# Altium PCB DB46.PcbDoc (part 5 of 6)
Units mm, origin at the board's own origin, x right, y up, seen from the top; angles counter-clockwise.
Board outline 82.2 x 113.2 mm, 8 copper layers (Top Layer, MidLayer1, MidLayer2, GND, MidLayer3, VCC, MidLayer4, Bottom Layer), stack 1.576 mm thick; 186 components, 477 nets, 1727 pads, 1538 vias.
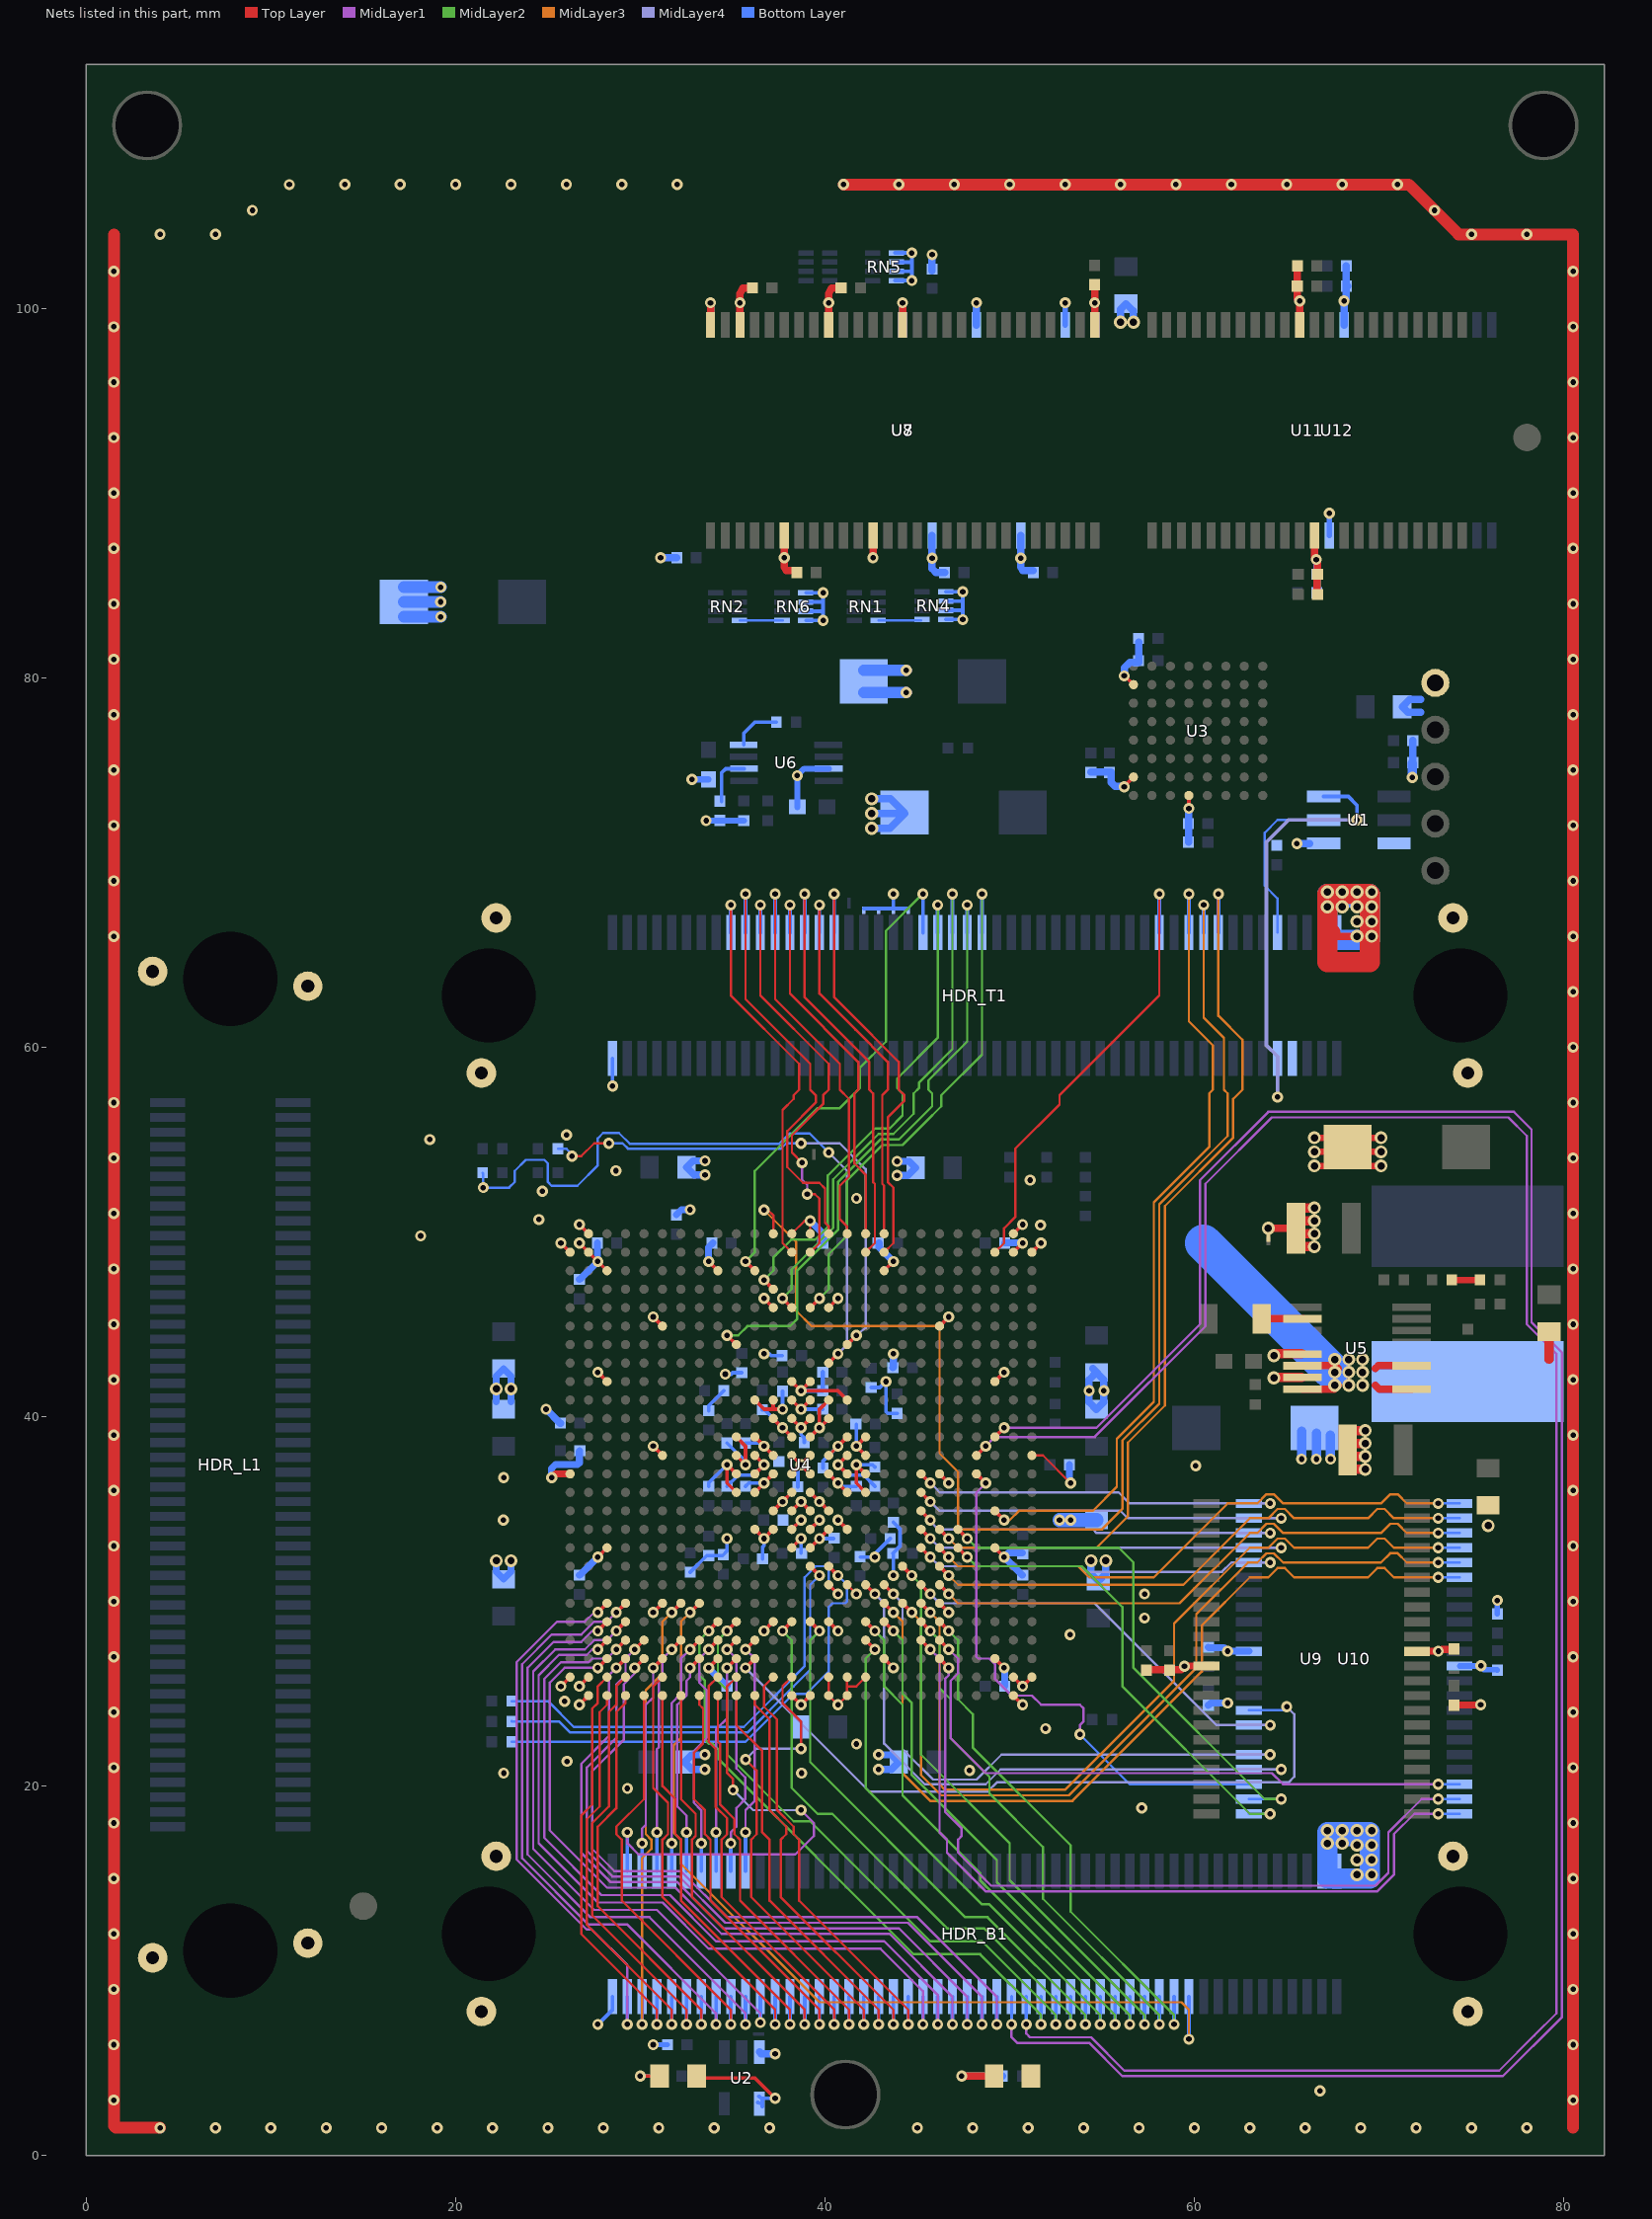
[diagram p11: the nets of this part, all layers, seen from the top]

## Via types
v1: diameter 0.6, hole 0.3, Top Layer to Bottom Layer, 904 vias
v2: diameter 0.6, hole 0.3, Top Layer to Bottom Layer, tented both sides, 506 vias
v3: diameter 0.7, hole 0.4, Top Layer to Bottom Layer, 127 vias
v4: diameter 0.6, hole 0.3, Top Layer to Bottom Layer, tented top, 1 vias

## Nets (pads, with @x,y where several pads share a name; then routed paths per layer and width w, separated by ;. In a path a pad name is that pad's centre, name@x,y a point inside that pad or via, vN(x,y) a via of type N, cw(c..) or ccw(c..) an arc to the next point about the centre after c; other vN are vias at no path point) (continued)
GND: C1.1 C2.2 C3.2 C4.2 C5.2 C6.2 C7.2 C8.2 C9.2 C10.2 C11.2 C12.2 C13.2 C14.2 C15.2 C16.2 C17.2 C18.2 C19.2 C20.2 C21.2 C22.2 C23.2 C24.2 C25.2 C26.2 C27.2 C28.2 C29.2 C30.2 C31.2 C32.2 C33.2 C34.2 C35.2 C36.2 C37.2 C38.2 C39.2 C40.2 C41.2 C42.2 C43.2 C44.2 C45.2 C46.2 C47.2 C48.2 C49.2 C50.2 C51.2 C52.2 C53.2 C54.2 C55.2 C56.2 C57.2 C58.2 C59.2 C60.2 C61.2 C62.2 C63.2 C64.2 C65.2 C66.2 C67.2 C68.2 C69.2 C70.2 C71.1 C72.2 C73.2 C74.2 C75.2 C76.2 C77.2 C78.2 C79.2 C82.2 C83.2 C84.2 C85.2 C86.2 C88.2 C89.2 C90.2 C91.2 C92.2 C93.2 C94.2 C95.2 C96.2 C97.2 C98.2 C99.2 C100.2 C101.2 C102.2 C103.2 C104.2 C105.2 C106.2 C107.2 C108.2 C109.2 C110.2 C111.2 C112.2 C113.2 C114.2 HDR_B1.1 HDR_B1.98 HDR_B1.100 HDR_B1.MH1 HDR_B1.MH2 HDR_B1.MH3 HDR_B1.MH4 HDR_L1.MH1 HDR_L1.MH2 HDR_L1.MH3 HDR_L1.MH4 HDR_T1.1 HDR_T1.98 HDR_T1.100 HDR_T1.MH1 HDR_T1.MH2 HDR_T1.MH3 HDR_T1.MH4 LED2.2 NT3.2 NT5.2 NT6.2 NT7.2 NT8.2 R29.2 RN4.1 RN4.2 RN4.3 RN4.4 RN5.1 RN5.2 RN5.3 RN5.4 RN6.1 RN6.2 RN6.3 RN6.4 TP1.1 U1.1 U2.3 U3.E8 U3.H2 U3.H7 U4.A2 U4.A13 U4.A14 U4.A25 U4.AA6 U4.AA21 U4.AB12 U4.AB15 U4.AD9 U4.AD18 U4.AD24 U4.AE1 U4.AE2 U4.AE15 U4.AE16 U4.AE17 U4.AE25 U4.AE26 U4.AF2 U4.AF13 U4.AF14 U4.AF15 U4.AF16 U4.AF25 U4.B1 U4.B2 U4.B25 U4.B26 U4.C3 U4.C9 U4.C18 U4.E12 U4.E15 U4.F6 U4.F21 U4.J3 U4.J13 U4.J14 U4.J24 U4.K11 U4.K12 U4.K13 U4.K14 U4.K15 U4.K16 U4.L12 U4.L13 U4.L14 U4.L15 U4.M10 U4.M11 U4.M13 U4.M14 U4.M16 U4.M17 U4.N6 U4.N10 U4.N11 U4.N12 U4.N13 U4.N14 U4.N15 U4.N16 U4.N17 U4.N26 U4.P1 U4.P10 U4.P11 U4.P12 U4.P13 U4.P14 U4.P15 U4.P16 U4.P17 U4.P21 U4.R10 U4.R11 U4.R13 U4.R14 U4.R16 U4.R17 U4.T12 U4.T13 U4.T14 U4.T15 U4.U11 U4.U12 U4.U13 U4.U14 U4.U15 U4.U16 U4.V3 U4.V13 U4.V14 U4.V24 U4.Y16 U5.13 U5.15 U6.3 U7.6 U7.12 U7.28 U7.41 U7.46 U7.52 U7.54 U8.6 U8.12 U8.28 U8.41 U8.46 U8.52 U8.54 U9.12 U9.34 U10.12 U10.34 U11.12 U11.34 U12.12 U12.34 | length 594.7
  Top Layer w0.127: U4.A13@38.2,49.9 38.9,50.6 v1(39.2,50.6) U4.A14@39.2,49.9 ; U4.AE15@40.2,25.9 U4.AF15@40.2,24.9 v1(40.7,24.4) U4.AF16@41.2,24.9 ; U4.AF16@41.1,24.8 U4.AF16@41.2,24.9 ; 41.2,25.4 41.7,25.4 U4.AE17@42.2,25.9 ; U4.AE16@41.2,25.9 U4.AF16@41.2,24.9 ; U4.Y16@41.2,30.9 v2(41.7,30.4) ; U4.N26@51.2,37.9 51.8,37.9 v1(53.3,36.4)
  Top Layer w0.2: v1(25.7,25.4) U4.AE1@26.2,25.9 ; v1(25.7,49.4) U4.B1@26.2,48.9 ; v1(26.7,24.4) U4.AF2@27.2,24.9 ; v1(26.7,25.4) U4.AE2@27.2,25.9 ; v1(26.7,49.4) U4.C3@28.2,47.9 ; v1(26.7,50.4) U4.A2@27.2,49.9 ; v1(27.7,32.4) U4.V3@28.2,32.9 ; v1(27.7,42.4) U4.J3@28.2,41.9 ; v1(30.7,29.4) U4.AA6@31.2,29.9 ; v1(30.7,38.4) U4.N6@31.2,37.9 ; v1(30.7,45.4) U4.F6@31.2,44.9 ; v1(33.7,26.4) U4.AD9@34.2,26.9 ; v1(33.7,48.4) U4.C9@34.2,47.9 ; U4.R10@35.2,35.9 34.7,36.4 v1(34.7,37.4) U4.P10@35.2,36.9 ; U4.N10@35.2,37.9 v1(35.7,37.4) 35.7,38.4 U4.M10@35.2,38.9 ; U4.U11@36.2,33.9 v2(36.7,33.4) U4.U12@37.2,33.9 ; U4.R11@36.2,35.9 v1(36.7,36.4) U4.P12@37.2,36.9 ; U4.P11@36.2,36.9 v1(36.7,37.4) U4.N11@36.2,37.9 ; U4.M11@36.2,38.9 U4.N12@37.2,37.9 ; U4.K11@36.2,40.9 36.7,40.4 v2(37.7,40.4) ; v1(36.7,28.4) U4.AB12@37.2,28.9 ; v1(36.7,46.4) U4.E12@37.2,45.9 ; U4.T12@37.2,35 U4.T12@37.2,34.9 v1(37.7,35.4) U4.R13@38.2,35.9 ; U4.L12@37.2,39.9 U4.M13@38.2,38.9 ; 37.2,40.4 U4.K12@37.2,40.9 ; U4.AF13@38.2,24.9 v1(38.7,24.4) U4.AF14@39.2,24.9 ; U4.V13@38.2,32.9 v1(38.7,33.4) ; U4.U13@38.2,33.9 v1(38.7,34.4) ; U4.T13@38.2,34.9 v1(38.7,35.4) U4.T14@39.2,34.9 ; U4.L13@38.2,39.9 v1(38.7,39.4) U4.L14@39.2,39.9 ; U4.K13@38.2,40.9 v1(38.7,40.4) U4.K14@39.2,40.9 ; U4.J13@38.2,41.9 v1(38.7,41.4) ; U4.V14@39.2,32.9 v2(39.7,33.4) U4.U15@40.2,33.9 ; U4.U14@39.2,33.9 v2(39.7,34.4) ; U4.R14@39.2,35.9 v1(39.7,35.4) U4.T15@40.2,34.9 ; U4.M14@39.2,38.9 U4.L15@40.2,39.9 ; U4.J14@39.2,41.9 v1(38.7,41.4) ; v1(39.7,39.4) 39.7,40.4 U4.K15@40.2,40.9 ; U4.AB15@40.2,28.9 v1(40.7,28.4) ; U4.P15@40.2,36.9 v1(40.7,36.4) U4.R16@41.2,35.9 ; U4.N15@40.2,37.9 U4.M16@41.2,38.9 ; U4.E15@40.2,45.9 v1(40.7,46.4) ; v2(40.7,34.4) U4.U16@41.2,33.9 ; U4.P16@41.2,36.9 v1(40.7,37.4) U4.N16@41.2,37.9 ; U4.K16@41.2,40.9 40.7,41.4 v1(38.7,41.4) ; U4.R17@42.2,35.9 41.7,36.4 v1(41.7,37.4) U4.P17@42.2,36.9 ; U4.N17@42.2,37.9 v1(41.7,38.4) U4.M17@42.2,38.9 ; U4.AD18@43.2,26.9 v1(43.7,26.4) ; U4.C18@43.2,47.9 v1(43.7,48.4) ; U4.AA21@46.2,29.9 v1(46.7,29.4) ; U4.P21@46.2,36.9 v1(46.7,36.4) ; U4.F21@46.2,44.9 v1(46.7,45.4) ; U4.AD24@49.2,26.9 v1(49.7,26.4) ; U4.V24@49.2,32.9 v1(49.7,32.4) ; U4.J24@49.2,41.9 v1(49.7,42.4) ; U4.AF25@50.2,24.9 v1(50.7,24.4) ; U4.AE25@50.2,25.9 v1(50.7,25.4) U4.AE26@51.2,25.9 ; U4.B25@50.2,48.9 v1(50.7,49.4) ; U4.A25@50.2,49.9 v1(50.7,50.4) ; U4.B26@51.2,48.9 v1(51.7,49.4) ; v1@56.2,74.125 U3.H7@56.7,74.625 ; v1@56.2,80.125 56.213,80.113 U3.H2@56.7,79.625 ; v1(59.7,72.925) U3.E8@59.7,73.625
  Top Layer w0.203: U4.P13@38.2,36.9 U4.N14@39.2,37.9 ; U4.N13@38.2,37.9 U4.P14@39.2,36.9
  Top Layer w0.35: v3(66.5,53.576) C82.2@67.795,53.576 ; v3(66.5,54.338) C82.2@67.795,54.338 ; v3(66.5,55.1) C82.2@67.795,55.1 ; C82.2@68.809,53.576 v3(70.104,53.576) ; C82.2@68.809,54.338 v3(70.104,54.338) ; C82.2@68.809,55.1 v3(70.104,55.1)
  Top Layer w0.381: v1(25.2,36.7) 25.4,36.9 U4.P1@26.2,36.9 ; C102.2@57.4,26.275 57.425,26.3 59.3,26.3 59.461,26.461 v1(59.461,26.492) 59.469,26.5 U9.34@60.652,26.5 ; v3(64.3,42.1) v3@64.319,42.119 ; v3(64.3,43.3) v3@64.4,43.4 ; U9.12@72.052,27.3 73.198,27.3 v1(73.203,27.305) 73.305,27.305 73.4,27.4 74.027,27.4 C99.2@74.052,27.425 ; C101.2@74.049,24.331 74.1,24.327 74.027,24.4 v1(75.5,24.4)
  Top Layer w0.4: U7.54@33.8,99.1 v2(33.8,100.3) ; U7.52@35.4,99.1 v2(35.4,100.3) ; v2@35.4,100.2 35.4,100.7 ; 35.4,100.8 35.55,101.1 C95.2@36.075,101.1 ; C95.2@35.975,101.1 C95.2@36.025,101.05 ; U7.6@37.8,87.7 37.8,86.6 v2(37.8,86.5) 37.8,86 37.9,85.8 C92.2@38.475,85.8 ; U7.46@40.2,99.1 v2(40.2,100.3) ; v2@40.2,100.2 40.2,100.8 40.35,101.1 C96.2@40.875,101.1 ; v2(42.6,86.5) U7.12@42.6,87.7 ; U7.41@44.2,99.1 v2(44.2,100.3) ; U7.28@54.6,99.1 C91.2@54.6,101.275 ; v3(64,50.2) C86.2@65.6,50.2 ; C108.2@65.543,102.325 C108.2@65.546,102.328 ; C108.2@65.575,102.3 65.575,100.525 v2(65.7,100.4) U11.34@65.7,99.1 ; U11.12@66.5,87.7 66.5,86.5 v2(66.6,86.4) 66.668,86.332 C111.2@66.668,85.6 C111.2@66.693,85.625 ; C107.2@66.643,84.575 66.643,85.6 C111.2@66.644,85.604 ; 67.2,66 v3(68.8,66)
  Top Layer w0.5: 79.2,43.099 C85.2@79.2,44.6
  Top Layer w0.508: v3@64.319,42.119 U5.15@65.813,42.119 ; v3@64.4,43.4 U5.13@65.8,43.4 ; C86.2@65.5,49.2 v3(66.5,49.2) ; C86.2@65.5,49.9 v3(66.5,49.9) ; C86.2@65.5,50.6 v3(66.5,50.6) ; C86.2@65.5,51.3 v3(66.5,51.3) ; C84.2@68.25,37.15 v3(69.25,37.15) ; C84.2@68.25,37.85 v3(69.25,37.85) ; C84.2@68.25,38.55 v3(69.25,38.55) ; C84.2@68.25,39.25 v3(69.25,39.25)
  Top Layer w0.635: 1.5,104 1.5,1.6 1.6,1.5 v1(4,1.5) ; v1(41,106.7) 71.6,106.7 74.3,104 80.5,104 80.5,1.5
  Top Layer w1: 67.2,66.2 67.4,66.2
  Top Layer w1.1: 67.2,64.6 67.2,68.3 69.5,68.3 69.5,64.6 67.2,64.6
  Bottom Layer w0.2: v1@27.5,48.4 v1(27.7,48.4) v1@27.7,48.6 ; v2(27.7,7.1) 28.5,7.9 HDR_B1.1@28.5,8.6 ; v2(28.5,57.9) HDR_T1.1@28.5,59.4 ; C40.2@32.7,31.575 33.6,32.475 34.45,32.475 34.7,32.725 v2(34.7,33.4) ; C66.2@33.7,36.225 33.7,36.4 v1(34.7,37.4) ; C29.2@33.7,40.325 33.7,40.575 C53.2@34.525,41.4 ; C19.2@34.7,36.225 35.305,36.83 36.13,36.83 v1(36.7,37.4) ; C22.2@34.7,38.575 35.7,37.575 v1(35.7,37.4) ; C20.2@35.7,36.225 35.875,36.4 v1(36.7,36.4) ; C14.2@35.7,38.575 36.525,38.575 v1(36.7,38.4) ; C18.2@36.6,40.375 36.725,40.375 v1(37.7,39.4) ; C31.2@36.625,32.3 36.625,32.942 36.7,33.017 v2(36.7,33.4) ; C9.2@38.525,36.2 38.525,37.225 v1(38.7,37.4) ; C67.2@38.7,32.625 v1(38.7,33.4) ; v1(38.7,39.4) 38.7,39.024 38.875,38.849 C10.2@38.875,38.6 ; v1(38.7,40.4) C21.2@39.875,40.4 ; RN6.4@38.98,83.1 v1(39.9,83.1) v1(39.9,84.6) RN6.1@38.98,84.6 ; RN6.3@38.98,83.6 39.9,83.6 ; RN6.2@38.98,84.1 39.9,84.1 ; v2(39.7,33.4) C27.2@40.475,33.4 ; C15.2@39.9,37.225 39.9,37.6 v1(40.7,38.4) ; v1(40.7,36.4) 40.875,36.225 C8.2@41.7,36.225 ; v1(40.7,37.4) 40.705,37.4 41.275,36.83 42.095,36.83 C16.2@42.7,36.225 ; v1(41.7,37.4) 42.575,37.4 C26.2@42.7,37.275 ; v1(41.7,38.4) C17.2@41.7,39.575 ; C58.2@41.925,32.4 v1(42.7,32.4) 42.7,32.575 C7.2@43.525,33.4 ; NT7.2@42.1,67.5 NT3.2@44.5,67.5 ; C50.2@42.5,41.575 42.975,41.575 v1(43.3,41.9) 43.3,40.266 43.391,40.175 C52.2@43.9,40.175 ; C65.2@43.675,32.6 44.069,32.994 44.069,33.906 C30.2@43.7,34.275 ; NT5.2@43.7,67.5 v2(43.7,68.3) ; v2(43.7,31.4) C65.2@43.7,32.575 ; RN5.4@43.78,101.5 v1(44.7,101.5) v1(44.7,103) RN5.1@43.78,103 ; RN5.3@43.78,102 44.7,102 ; RN5.2@43.78,102.5 44.7,102.5 ; RN4.4@46.54,83.15 v1(47.46,83.15) v1(47.46,84.65) RN4.1@46.54,84.65 ; RN4.3@46.54,83.65 47.46,83.65 ; RN4.2@46.54,84.15 47.46,84.15
  Bottom Layer w0.203: v2(34.6,42.3) 34.934,42.3 35.009,42.375 C63.2@35.5,42.375 ; v2(36.7,43.4) 36.991,43.4 37.091,43.3 C61.2@37.675,43.3 ; v2(37.7,40.4) C28.2@37.7,41.375
  Bottom Layer w0.25: v1(30.7,6) C71.1@31.475,6
  Bottom Layer w0.254: v1(38.7,41.4) C12.2@39.875,41.4 C25.2@39.875,42.4
  Bottom Layer w0.3: U8.52@53,99.1 v2(53,100.3) ; U8.54@54.6,99.1 v2(54.6,100.3) ; U12.12@67.3,87.7 v2(67.3,88.9) ; U10.34@74.352,26.5 v1@75.496,26.5 ; v1(75.514,26.518) v1@75.496,26.5 ; C106.2@76.4,26.275 76.375,26.3 75.675,26.3 75.496,26.479 v1@75.496,26.5 ; C104.2@76.4,29.325 v1(76.4,30.05)
  Bottom Layer w0.33: v2(32.8,74.5) C89.2@33.7,74.5 ; v2(33.562,72.262) R29.2@35.6,72.262 ; C88.2@38.5,73 v2(38.5,74.7) 38.875,75.075 U6.3@40.2,75.075
  Bottom Layer w0.381: v3(22.2,32.2) 22.2,31.6 C35.2@22.6,31.2 23,31.6 v3(23,32.2) ; C4.2@22.2,40.8 C33.2@22.2,42.2 ; v3(22.2,41.5) C33.2@22.2,42.2 ; C4.2@23,40.8 C33.2@23,42.2 ; v3(23,41.5) C33.2@23,42.2 ; v1(25.2,36.7) 25.2,37.2 25.4,37.4 26.6,37.4 26.7,37.5 26.7,38.125 C55.2@26.724,38.15 ; C57.2@26.699,31.425 26.725,31.425 v1(27.7,32.4) ; C44.2@26.699,47.425 26.725,47.425 v1(27.7,48.4) ; v1@27.674,48.425 C68.2@27.674,49.4 ; C54.2@31.95,50.925 32.224,51.2 v1(32.7,51.2) ; v2(33.5,20.9) 32.8,20.9 C39.2@32.4,21.3 32.8,21.7 v2(33.5,21.7) ; v1(33.503,53.086) 33.5,53.083 32.917,53.083 C32.2@32.5,53.5 32.848,53.848 v1(33.503,53.848) ; v1(33.7,26.4) 34.676,25.424 C49.2@34.7,25.424 ; v1(33.7,48.4) 33.7,49.176 C47.2@33.925,49.4 ; v1(39.2,50.6) 39.925,49.875 C51.2@39.925,49.4 ; v1(42.9,20.9) 43.6,20.9 C38.2@44,21.3 43.6,21.7 v1(42.9,21.7) ; C43.2@42.925,49.4 42.925,49.175 v1(43.7,48.4) ; C41.2@43.675,42.65 43.7,42.675 v1(43.7,43.4) ; v1@43.9,52.961 v1(43.906,53.061) 44.489,53.061 C34.2@44.903,53.474 44.555,53.823 v1(43.906,53.823) ; C45.2@49.725,25.399 v1@49.725,26.374 ; C48.2@49.725,49.4 v1@50.699,49.4 ; C62.2@50.701,31.425 50.675,31.425 v1(49.7,32.4) 49.925,32.625 C64.2@50.701,32.625 ; C60.2@53.226,37.4 53.226,36.474 v1(53.3,36.4) ; C103.2@60.752,24.375 60.877,24.5 v1(61.8,24.5) ; C105.2@60.752,27.525 60.777,27.5 61.6,27.5 61.795,27.305 v1(61.798,27.305) 61.803,27.3 U10.12@62.952,27.3 ; C33.2@22.2,42.2 C33.2@22.6,42.6 C33.2@23,42.2
  Bottom Layer w0.4: v1(24.9,40.4) 25.65,39.65 C42.2@25.675,39.65 ; v2(31.1,86.5) C93.2@31.975,86.5 ; U8.28@33.8,99.1 v2@33.8,100.2 ; U2.3@36.45,5.6 36.55,5.5 v1(37.3,5.5) ; v3(42.525,71.85) 43.52,71.85 44.327,72.657 44.289,72.694 43.534,73.45 v3(42.525,73.45) ; v3(42.525,72.65) C70.2@44.32,72.65 ; U8.41@44.2,99.1 v2(44.2,100.3) ; U8.12@45.8,87.7 45.8,86.5 v2(45.8,86.475) 45.8,85.9 46,85.7 C98.2@46.475,85.7 ; C94.2@45.8,102.025 45.8,102.8 v2(45.8,102.9) ; U8.46@48.2,99.1 v2(48.2,100.3) ; U8.6@50.6,87.7 50.6,86 50.7,85.8 C97.2@51.275,85.8 ; v3(54.4,32.2) 54.4,31.5 C37.2@54.8,31.1 54.9,31.2 55.2,31.5 v3(55.2,32.2) ; C77.2@54.4,74.9 55.5,74.9 55.5,74.325 55.7,74.125 v1@56.2,74.125 ; C36.2@54.5,42.6 55.1,42 55.1,40.8 C6.2@54.7,40.4 54.3,40.8 54.3,42 C36.2@54.7,42.4 ; v3(56,99.25) 56,99.95 C79.2@56.3,100.25 56.7,99.85 v3(56.7,99.25) ; v1(56.2,80.1) 56.2,80.525 56.5,80.825 56.975,80.825 C73.2@56.975,81.925 ; C72.2@59.675,71.1 59.7,71.125 v1(59.7,72.925) ; v2(65.55,71.025) 66.245,71.025 U1.1@66.25,71.03 ; v2(66.6,86.4) 66.625,86.375 C109.2@66.625,84.6 ; v2@68.1,100.5 v2(68.1,100.4) 68.225,100.525 C114.2@68.225,101.2 ; U12.34@68.107,99.1 v2@68.107,100.2 ; C110.2@68.225,102.3 68.225,101.275 C114.2@68.3,101.2 ; C2.2@71.825,75.4 C1.1@71.825,76.6 ; 72.25,78.125 71.55,78.125 C78.2@71.25,78.425 71.65,78.825 72.25,78.825
  Bottom Layer w0.508: v1(65.8,37.7) C3.2@65.8,39.2 ; v1(66.6,37.7) C3.2@66.6,39.1 ; v1(67.369,37.7) C3.2@67.369,39 ; v2(71.8,74.6) C2.2@71.8,75.375
  Bottom Layer w0.635: C69.2@17.2,83.3 v2(19.2,83.3) ; C69.2@17.2,84.9 v2(19.2,84.9) ; C69.2@17.202,84.107 v2(19.193,84.107) ; C23.2@42.1,79.2 v2(44.4,79.2) ; C23.2@42.1,80.4 v2(44.4,80.4)
  Bottom Layer w0.762: v1(52.7,34.4) C5.2@54.701,34.4
  Bottom Layer w1.1: v3@67.3,17.3 v3@69.5,17.3 ; v3@67.3,68.1 v3@69.5,68.1 ; v3@69.5,68.1 69.5,67.6 69.5,66.8 69.5,66 69.5,65.8 67.2,65.8 67.2,68.3 69.5,68.3 v3@69.5,68.1 ; 67.2,15 67.2,17.5 69.5,17.5 69.5,16.8 69.5,16 69.5,15.2 69.5,15 67.2,15
  other v1: 7,1.5 10,1.5 13,1.5 16,1.5 19,1.5 22,1.5 25,1.5 28,1.5 31,1.5 34,1.5 37,1.5 45,1.5 48,1.5 51,1.5 54,1.5 57,1.5 60,1.5 63,1.5 66,1.5 69,1.5 72,1.5 75,1.5 78,1.5 1.5,3 80.5,3 66.8,3.5 1.5,6 80.5,6 1.5,9 80.5,9 1.5,12 80.5,12 1.5,15 80.5,15 1.5,18 80.5,18 57.15,18.821 29.304,19.873 22.606,20.701 38.735,20.701 47.828,20.853 1.5,21 80.5,21 26.035,21.336 41.707,22.276 51.943,23.114 1.5,24 80.5,24 25.903,24.595 1.5,27 80.5,27 53.264,28.194 57.3,29.1 1.5,30 80.5,30 57.3,30.4 1.5,33 80.5,33 22.583,34.404 53.3,34.4 1.5,36 80.5,36 22.606,36.703 60.071,37.338 1.5,39 80.5,39 54.3,41.4 55.1,41.4 1.5,42 80.5,42 1.5,45 80.5,45 1.5,48 80.5,48 18.11,49.784 51.664,50.368 24.511,50.673 1.5,51 80.5,51 41.707,51.816 51.105,52.807 28.677,53.315 1.5,54 80.5,54 26.01,55.245 1.5,57 80.5,57 80.5,60 80.5,63 1.5,66 80.5,66 1.5,69 80.5,69 1.5,72 80.5,72 56.2,74.1 1.5,75 80.5,75 1.5,78 80.5,78 1.5,81 80.5,81 1.5,84 80.5,84 1.5,87 80.5,87 1.5,90 80.5,90 1.5,93 80.5,93 1.5,96 80.5,96 1.5,99 80.5,99 1.5,102 80.5,102 4,104 7,104 75,104 78,104 9,105.3 73,105.3 10.996,106.695 14,106.7 17,106.7 20,106.7 23,106.7 26,106.7 29,106.7 32,106.7 44,106.7 47,106.7 50,106.7 53,106.7 56,106.7 59,106.7 62,106.7 65,106.7 68,106.7 71,106.7
  other v2: 24.7,52.2 18.6,55 50.6,86.475
  other v3: 68.8,15.2 69.6,15.2 68.8,16 69.6,16 68.8,16.8 69.6,16.8 67.2,16.9 68,16.9 67.2,17.6 68,17.6 68.8,17.6 69.6,17.6 75.9,34.1 69.6,66 68.8,66.8 69.6,66.8 67.2,67.6 68,67.6 68.8,67.6 69.6,67.6 67.2,68.4 68,68.4 68.8,68.4 69.6,68.4
HSWAP_EN: R4.2 U4.G16 | length 27.9
  Top Layer w0.127: v1(26.3,54.1) 26.8,54.1 27.5,54.8 v1(28.3,54.8)
  Top Layer w0.2: U4.G16@41.2,43.9 v1(41.7,44.4)
  MidLayer4 w0.127: v1(38.7,54.8) 40.8,54.8 42.2,53.4 42.2,48.7 42.2,44.8 v1(41.7,44.4)
  Bottom Layer w0.127: R4.2@25.538,54.5 26,54.5 26.3,54.2 v1(26.3,54.1) ; v1(28.3,54.8) 29.04,54.8 29.329,54.511 37.61,54.511 37.899,54.8 v1(38.7,54.8)
IO0: HDR_B1.7 U4.AE3 | length 22.6
  Top Layer w0.127: U4.AE3@28.2,25.9 27.7,25.4 27.7,24.5 27.4,24.2 27.4,23.3 27.4,23 27.4,19 26.8,18.4 26.8,12 30.9,7.9 v2(30.9,7.1)
  Bottom Layer w0.2: v2(30.9,7.1) HDR_B1.7@30.9,8.6
IO1: HDR_B1.9 U4.AF3 | length 21.7
  Top Layer w0.127: U4.AF3@28.2,24.9 28.2,24.4 27.8,24 27.8,23.3 27.8,23 27.8,18.9 27.1,18.2 27.1,12.5 31.7,7.9 v2(31.7,7.1)
  Bottom Layer w0.2: v2(31.7,7.1) HDR_B1.9@31.7,8.6
IO2: HDR_B1.11 U4.AE4 | length 23.2
  Top Layer w0.127: U4.AE4@29.2,25.9 28.7,25.4 28.7,24.4 28.3,24 28.3,23.3 28.3,23 28.3,18.9 27.4,18 27.4,13 32.5,7.9 v2(32.5,7.1)
  Bottom Layer w0.2: v2(32.5,7.1) HDR_B1.11@32.5,8.6
IO3: HDR_B1.13 U4.AF4 | length 22.2
  Top Layer w0.127: U4.AF4@29.2,24.9 29.2,24.5 28.7,24 28.7,23.3 28.7,23 28.7,18.8 27.7,17.8 27.7,13.5 33.3,7.9 v2(33.3,7.1)
  Bottom Layer w0.2: v2(33.3,7.1) HDR_B1.13@33.3,8.6
IO4: HDR_B1.15 U4.AA4 | length 33.5
  Top Layer w0.2: v1(28.7,29.4) U4.AA4@29.2,29.9
  MidLayer1 w0.127: v1(28.7,29.4) 28.2,28.9 27.5,28.9 26.8,28.2 25.2,28.2 23.6,26.6 23.6,16.1 27.2,12.5 29.3,12.5 34.1,7.7 v2(34.1,7.1)
  Bottom Layer w0.2: v2(34.1,7.1) HDR_B1.15@34.1,8.6
IO5: HDR_B1.17 U4.AF5 | length 22.5
  Top Layer w0.127: U4.AF5@30.2,24.9 30.2,24.4 30.2,23.3 30.2,23 30.2,19.3 28.7,17.8 28.7,17.4 29,17.1 29,13.8 34.9,7.9 v2(34.9,7.1)
  Bottom Layer w0.2: v2(34.9,7.1) HDR_B1.17@34.9,8.6
IO6: HDR_B1.19 U4.AB3 | length 32.9
  Top Layer w0.2: v1(27.7,28.4) U4.AB3@28.2,28.9
  MidLayer1 w0.127: v1(27.7,28.4) 27.4,28.4 26.8,27.8 25.3,27.8 23.9,26.4 23.9,16.3 27.3,12.9 30.5,12.9 35.7,7.7 v2(35.7,7.1)
  Bottom Layer w0.2: v2(35.7,7.1) HDR_B1.19@35.7,8.6
IO7: HDR_B1.21 U4.AB4 | length 33.8
  Top Layer w0.2: v1(28.7,28.4) U4.AB4@29.2,28.9
  MidLayer1 w0.127: v1(28.7,28.4) 28.2,27.9 27.5,27.9 27,27.4 25.4,27.4 24.2,26.2 24.2,16.6 27.5,13.3 30.9,13.3 36.5,7.7 v2@36.5,7.1
  Bottom Layer w0.2: v2@36.5,7.1 HDR_B1.21@36.5,8.6
  other v2: 36.5,7.2
IO8: HDR_B1.23 U4.AE6 | length 23.5
  Top Layer w0.127: U4.AE6@31.2,25.9 30.7,25.4 30.7,25.3 30.7,23.3 30.7,23 30.7,19.9 31.5,19.1 31.5,17.4 31.2,17.1 31.2,14 37.3,7.9 v2(37.3,7.1)
  Bottom Layer w0.2: v2(37.3,7.1) HDR_B1.23@37.3,8.6
IO9: HDR_B1.25 U4.AF6 | length 22.2
  Top Layer w0.127: U4.AF6@31.2,24.9 31.2,23.3 31.2,23 31.2,20 31.9,19.3 31.9,17.4 32.2,17.1 32.2,13.8 38.1,7.9 v2(38.1,7.1)
  Bottom Layer w0.2: v2(38.1,7.1) HDR_B1.25@38.1,8.6
IO10: HDR_B1.27 U4.AF7 | length 22.2
  Top Layer w0.127: U4.AF7@32.2,24.9 32.2,23.3 32.2,23 32.2,19.3 33,18.5 33,17.3 32.8,17.1 32.8,14 38.9,7.9 v2(38.9,7.1)
  Bottom Layer w0.2: v2(38.9,7.1) HDR_B1.27@38.9,8.6
IO11: HDR_B1.29 U4.AF8 | length 22.4
  Top Layer w0.127: U4.AF8@33.2,24.9 33.2,24.4 33.4,24.2 33.4,23.3 33.4,23 33.4,22.3 32.9,21.8 32.9,19.3 33.5,18.7 33.5,17.4 33.8,17.1 33.8,13.8 39.7,7.9 v2(39.7,7.1)
  Bottom Layer w0.2: v2(39.7,7.1) HDR_B1.29@39.7,8.6
IO12: HDR_B1.31 U4.AE9 | length 23.6
  Top Layer w0.127: U4.AE9@34.2,25.9 33.7,25.4 33.7,23.3 33.7,23 33.7,22.4 34.072,22.028 34.072,18.883 34.7,18.255 34.7,17.4 34.4,17.1 34.4,14 40.5,7.9 v2(40.5,7.1)